# Altium PCB Light_Board.PcbDoc (part 2 of 2)
Units mm, origin at the board's own origin, x right, y up, seen from the top; angles counter-clockwise.
Board outline 260 x 260 mm, 2 copper layers (Top Layer, Bottom Side); 167 components, 149 nets, 370 pads, 0 vias.
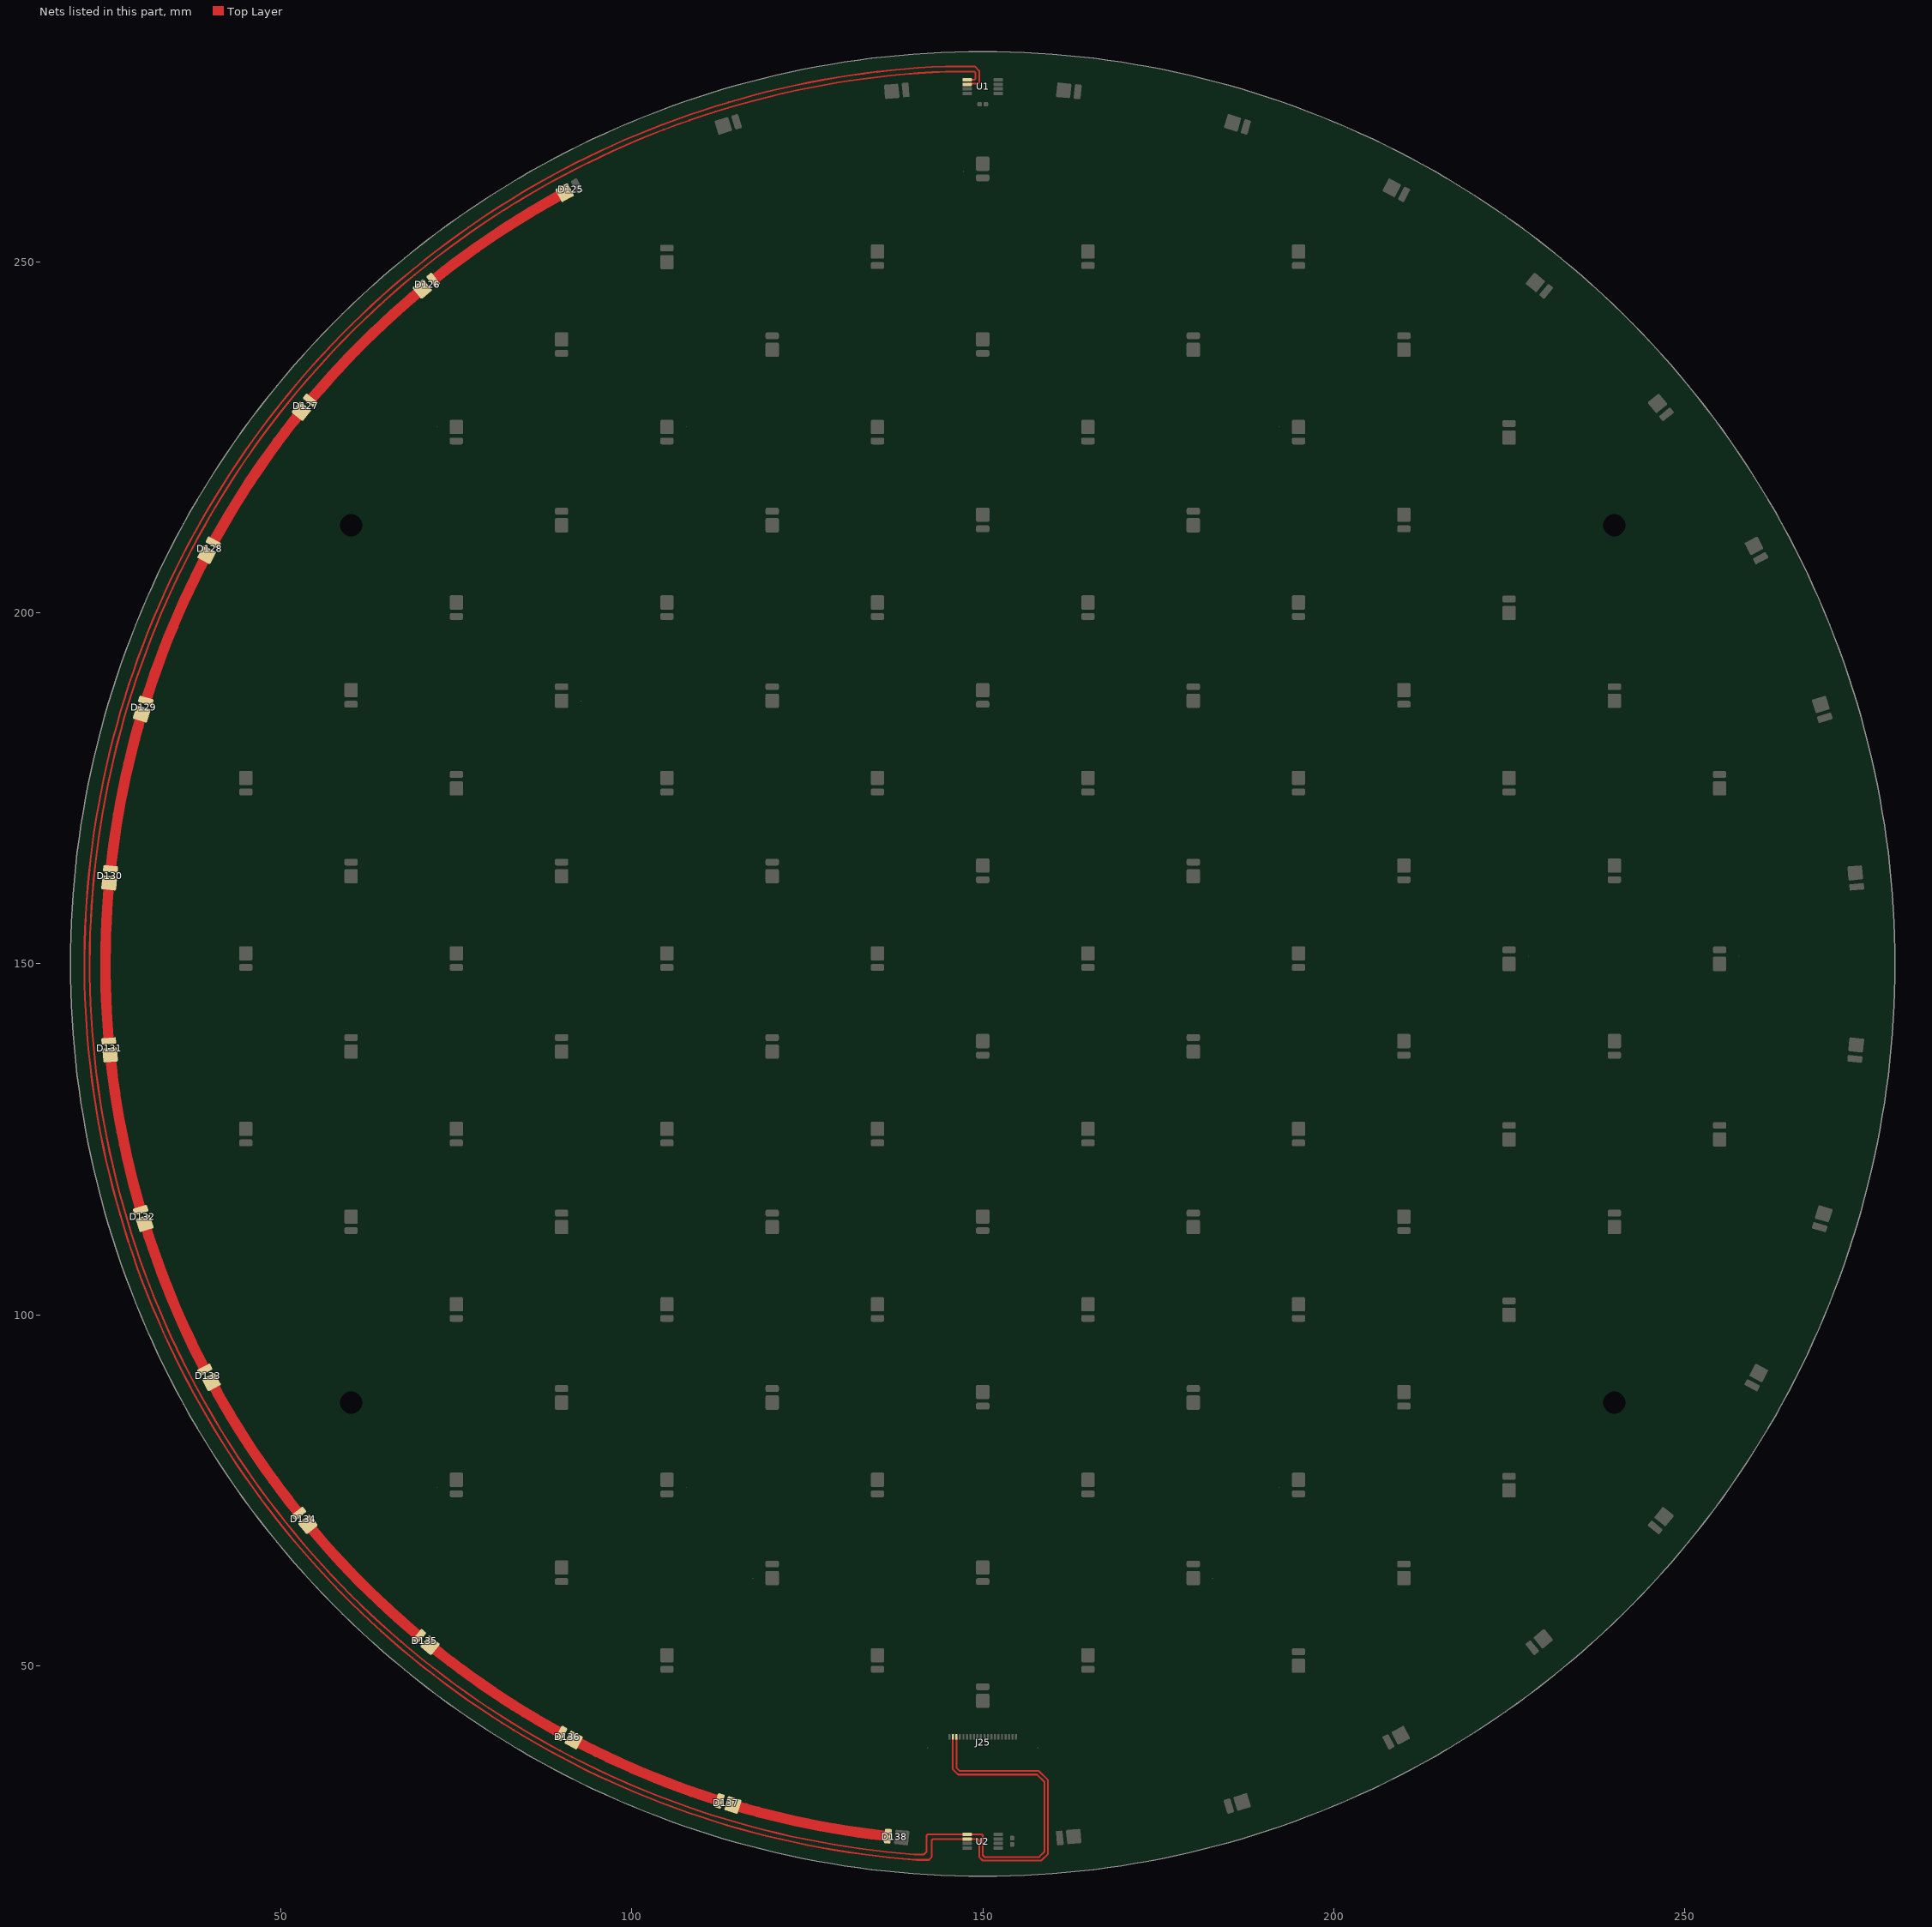
[diagram p2: the nets of this part, all layers, seen from the top]

## Nets (pads, with @x,y where several pads share a name; then routed paths per layer and width w, separated by ;. In a path a pad name is that pad's centre, name@x,y a point inside that pad or via, vN(x,y) a via of type N, cw(c..) or ccw(c..) an arc to the next point about the centre after c; other vN are vias at no path point) (continued)
NetD125_K: D125.K D126.A | length 22.3
  Top Layer w1.5: D126.A@71.912,247.61 cw(c150,150) D125.K@90.436,259.898
NetD126_K: D126.K D127.A | length 22.2
  Top Layer w1.5: D127.A@54.423,230.565 cw(c150,150) D126.K@70.141,246.167
NetD127_K: D127.K D128.A | length 22.1
  Top Layer w1.5: D128.A@40.587,210.452 cw(c150,150) D127.K@52.914,228.739
NetD128_K: D128.K D129.A | length 22
  Top Layer w1.5: 30.922,188.025 cw(c150,150) D128.K@39.418,208.285
NetD129_K: D129.K D130.A | length 22.1
  Top Layer w1.5: D130.A@25.781,163.968 cw(c150,150) D129.K@30.172,185.592
NetD130_K: D130.K D131.A | length 22.1
  Top Layer w1.5: D131.A@25.44,139.495 cw(c150,150) D130.K@25.531,161.531
NetD131_K: D131.K D132.A | length 22.1
  Top Layer w1.5: D131.K@25.673,137.027 ccw(c150,150) D132.A@29.883,115.396
NetD132_K: D132.K D133.A | length 22.1
  Top Layer w1.5: D132.K@30.593,113.021 ccw(c150,150) D133.A@38.942,92.627
NetD133_K: D133.K D134.A | length 22.1
  Top Layer w1.5: D133.K@40.102,90.436 ccw(c150,150) D134.A@52.269,72.063
NetD134_K: D134.K D135.A | length 22.1
  Top Layer w1.5: D134.K@53.833,70.141 ccw(c150,150) D135.A@69.351,54.494
NetD135_K: D135.K D136.A | length 22.1
  Top Layer w1.5: D135.K@71.261,52.914 ccw(c150,150) D136.A@89.533,40.596
NetD136_K: D136.K D137.A | length 22.1
  Top Layer w1.5: D136.K@91.715,39.418 ccw(c150,150) D137.A@112.039,30.901
NetD137_K: D137.K D138.A | length 22.1
  Top Layer w1.5: D137.K@114.408,30.172 ccw(c150,150) D138.A@136.003,25.784
SCL: J25.3 U1.2 U2.2 | length 449.1
  Top Layer w0.25: 140.626,22.344 142.344,22.344 142.75,22.75 142.75,25.179 142.896,25.325 U2.2@147.775,25.325 149.354,25.325 149.5,25.179 149.5,22.75 150,22.25 158.35,22.25 159.3,23.2 159.3,33.7 158,35 146.75,35 146.25,35.5 J25.3@146.25,39.868 ; 144.744,277.892 148.852,277.892 149.5,277.244 149.5,275.596 149.354,275.45 147.9,275.45 U1.2@147.775,275.325
  Top Layer w0.254: 140.626,22.344 cw(c150,150) 144.744,277.892
SDA: J25.2 U1.1 U2.1 | length 444
  Top Layer w0.25: 140.238,23.125 141.625,23.125 142,23.5 142,25.829 142.146,25.975 U2.1@147.775,25.975 147.8,26 149.854,26 150,25.854 150,23 150.25,22.75 158.05,22.75 158.8,23.5 158.8,33.45 157.75,34.5 146.5,34.5 145.75,35.25 J25.2@145.75,39.868 ; 144.754,277.142 148.808,277.142 148.975,276.975 148.975,276.121 148.829,275.975 U1.1@147.775,275.975
  Top Layer w0.254: 140.238,23.125 cw(c150,150) 144.754,277.142
pads on no net: J25.5 J25.6 J25.P1 J25.P2 U1.3 U2.3

## Polygon pours and split planes (outlines as drawn)
NetD83_K on Top Layer "NONET_L01_P-001" (solid, remove dead copper, pour order 47): 119,64 119,69 178.5,69 178.5,63.5 193.5,63.5 193.5,61.5 177.5,61.5 177.5,68 129,68 129,64
NetD78_K on Top Layer "NONET_L01_P-001" (solid, remove dead copper, pour order 104): 129.75,63 129.75,67.5 177,67.5 177,61 194,61 194,75 196,75 196,60 151.5,60 151.5,63
NetD76_K on Top Layer "NONET_L01_P-001" (solid, remove dead copper, pour order 97): 104,75.5 104,86 136.5,86 136.5,87.5 151,87.5 151,85 118.5,85 118.5,75.5
NetD58_K on Top Layer "NONET_L01_P-001" (solid, remove dead copper, pour order 90): 104,225.5 104,236 136.5,236 136.5,237.5 151,237.5 151,235 118.5,235 118.5,225.5
LED4A on Top Layer "NONET_L01_P-001" (solid, remove dead copper, pour order 91): 119,234.5 151.5,234.5 151.5,238 136.5,238 136.5,242 163.5,242 163.5,233.5 120,233.5 120,223.5 168,223.5 168,230 197.5,230 197.5,208.5 120,208.5 120,198.5 168,198.5 168,205 197.5,205 197.5,183.5 120,183.5 120,173.5 168,173.5 168,180 197.5,180 197.5,158.5 120,158.5 120,148.5 168,148.5 168,155 197.5,155 197.5,133.5 120,133.5 120,123.5 168,123.5 168,130 197.5,130 197.5,108.5 120,108.5 120,98.5 168,98.5 168,105 197.5,105 197.5,83.5 120,83.5 120,73.5 168,73.5 168,80 197.5,80 197.5,58.5 167.5,58.5 167.5,47.5 154,47.5 154,44 153,44 153,48.5 166.5,48.5 166.5,59.5 196.5,59.5 196.5,79 169,79 169,72.5 119,72.5 119,84.5 196.5,84.5 196.5,104 169,104 169,97.5 119,97.5 119,109.5 196.5,109.5 196.5,129 169,129 169,122.5 119,122.5 119,134.5 196.5,134.5 196.5,154 169,154 169,147.5 119,147.5 119,159.5 196.5,159.5 196.5,179 169,179 169,172.5 119,172.5 119,184.5 196.5,184.5 196.5,204 169,204 169,197.5 119,197.5 119,209.5 196.5,209.5 196.5,229 169,229 169,222.5 119,222.5
LED3A on Top Layer "NONET_L01_P-001" (solid, remove dead copper, pour order 114): 169.5,45.5 156,45.5 156,44.5 170.5,44.5 170.5,55.5 200.5,55.5 200.5,233 184,233 184,257.5 175,257.5 175,270.75 125,270.75 125,263 151.5,263 151.5,256.5 183,256.5 183,232 199.5,232 199.5,56.5 169.5,56.5
NetD42_K on Top Layer "NONET_L01_P-001" (solid, remove dead copper, pour order 35): 139,252.5 136.5,252.5 136.5,256 139,256 166,256 166,250.5 149.75,250.5 149.75,245.5 125,245.5 125,250 136,250 136,249 139,249
NetD30_K on Top Layer "NONET_L01_P-001" (solid, remove dead copper, pour order 152): 201,212.5 223.5,212.5 223.5,188 201,188
NetD18_K on Top Layer "NONET_L01_P-001" (solid, remove dead copper, pour order 133): 209,76 230.25,76 230.25,86.75 253.25,86.75 251.75,85.25 251.75,82.5 247,77.75 247,76.25 240.5,69.75 240.5,68.75 235.75,64 209,64
LED4K on Top Layer "NONET_L01_P-001" (solid, remove dead copper, pour order 120): 166,50 151.5,50 151.5,44 152.5,44 152.5,49 166,49
NetD100_K on Top Layer "NONET_L01_P-001" (solid, remove dead copper, pour order 187): 89,125 76.5,125 76.5,114 100.5,114 100.5,138.5 89,138.5
NetD111_K on Top Layer "NONET_L01_P-001" (solid, remove dead copper, pour order 199): 56,226.5 55.75,226.5 54.75,225.5 76,225.5 76,226.5 91,226.5 91,237.5 65.5,237.5 60.25,232.25 60.25,231.5 56,227.25
NetD107_K on Top Layer "NONET_L01_P-001" (solid, remove dead copper, pour order 203): 76.5,187.5 76.5,188.5 100.5,188.5 100.5,176.5 61.5,176.5 61.5,187.5
NetD115_K on Top Layer "NONET_L01_P-001" (solid, remove dead copper, pour order 195): 46,175 31,175 31,170.75 29.25,169 29.25,150.5 46,150.5
NetD102_K on Top Layer "NONET_L01_P-001" (solid, remove dead copper, pour order 189): 74,153.25 69.25,153.25 69.25,150.5 76,150.5 76,164 100.5,164 100.5,176 76.5,176 76.5,173.5 74,173.5 74,173
NetD103_K on Top Layer "NONET_L01_P-001" (solid, remove dead copper, pour order 191): 88.5,125.5 69.25,125.5 69.25,150 88.5,150
LED6K on Top Layer "NONET_L01_P-001" (solid, remove dead copper, pour order 181): 104,50 106.5,50 106.5,53 115.5,53 115.5,42.5 136.5,42.5 136.5,30 126.25,30 124.25,32 117.5,32 115.5,34 110.75,34 108.25,36.5 104,36.5
NetD121_K on Top Layer "NONET_L01_P-001" (solid, remove dead copper, pour order 182): 106,53 106,50.5 103.5,50.5 103.5,38.25 98.25,38.25 96.75,36.75 88.25,45.25 82.5,45.25 65.25,62.5 91,62.5 91,53
NetD119_K on Top Layer "NONET_L01_P-001" (solid, remove dead copper, pour order 185): 76,100 39.25,100 40.25,99 40.25,96.5 42.25,94.5 42.25,93.25 44,91.5 44,90.5 46,88.5 46,87.25 70.25,87.25 70.25,75.5 76,75.5
NetD120_K on Top Layer "NONET_L01_P-001" (solid, remove dead copper, pour order 184): 91,75 69.75,75 69.75,86.75 46.75,86.75 48.25,85.25 48.25,82.5 53,77.75 53,76.25 59.5,69.75 59.5,68.75 65.25,63 91,63
NetD118_K on Top Layer "NONET_L01_P-001" (solid, remove dead copper, pour order 186): 76,112.5 34.5,112.5 35,112 35,110.25 36,109.25 36,107.25 37.5,105.75 37.5,102.75 39.75,100.5 76,100.5
NetD104_K on Top Layer "NONET_L01_P-001" (solid, remove dead copper, pour order 190): 76,125 68.75,125 68.75,138.5 46.5,138.5 46.5,122 76,122
NetD114_K on Top Layer "NONET_L01_P-001" (solid, remove dead copper, pour order 196): 46.5,175.5 61,175.5 61,187.5 34,187.5 34,183.5 31.75,181.25 31.75,175.5
NetD106_K on Top Layer "NONET_L01_P-001" (solid, remove dead copper, pour order 204): 61.5,175 61.5,176 76,176 76,174 73.5,174 73.5,164 46.5,164 46.5,175
NetD105_K on Top Layer "NONET_L01_P-001" (solid, remove dead copper, pour order 205): 46.5,139 46.5,163.5 73.5,163.5 73.5,153.75 68.75,153.75 68.75,139
NetD116_K on Top Layer "NONET_L01_P-001" (solid, remove dead copper, pour order 193): 46,150 28.5,150 28.5,135.5 30,134 29.75,133.75 29.75,125.25 32.5,122.5 29.75,125.25 29.75,125.5 46,125.5
NetD117_K on Top Layer "NONET_L01_P-001" (solid, remove dead copper, pour order 194): 46,121.5 76,121.5 76,113 34,113 34,115.25 32.25,117 32.25,123 30.5,124.75 30.5,125 46,125
LED6A on Top Layer "NONET_L01_P-001" (solid, remove dead copper, pour order 192): 92.5,88.5 88.5,88.5 88.5,113.5 76.5,113.5 76.5,103 76.5,75.5 92.5,75.5
NetD99_K on Top Layer "NONET_L01_P-001" (solid, remove dead copper, pour order 183): 100.5,67.5 114.5,67.5 114.5,60 117,60 117,55 93,55 93,89 89,89 89,113.5 100.5,113.5
NetD101_K on Top Layer "NONET_L01_P-001" (solid, remove dead copper, pour order 188): 89,150.5 76.5,150.5 76.5,163.5 100.5,163.5 100.5,139 89,139
NetD113_K on Top Layer "NONET_L01_P-001" (solid, remove dead copper, pour order 197): 76,188 61.5,188 34.75,188 34.75,190.5 37,192.75 37,196.75 39.25,199 39.25,200 76,200
NetD108_K on Top Layer "NONET_L01_P-001" (solid, remove dead copper, pour order 202): 100.5,213.5 76.5,213.5 76.5,189 100.5,189
NetD112_K on Top Layer "NONET_L01_P-001" (solid, remove dead copper, pour order 198): 76,225 54.712,225 50.145,218.632 48,216 43.75,209 42.5,205.25 39.75,202.5 39.75,200.5 76,200.5
NetD109_K on Top Layer "NONET_L01_P-001" (solid, remove dead copper, pour order 200): 124.5,251 124.5,245.5 100.5,245.5 100.5,233.5 100.5,214 76.5,214 76.5,226 91.5,226 91.5,251
NetD110_K on Top Layer "NONET_L01_P-001" (solid, remove dead copper, pour order 201): 124.5,258 124.5,268.5 124.25,268.25 119.5,268.25 116.75,267 113,266 112.25,265.25 110,265.25 108.75,264 107,264 106.25,263.25 105,263.25 104,262.25 103.25,262.25 101.625,261.125 99.5,260.75 99,260.25 98,260.25 97,259.25 96.25,259.25 94.5,257.5 93.5,257.5 92.5,256.5 91.75,256.5 90.75,255.5 89.75,255.5 88.75,254.5 86.5,254.5 85,253 84.75,253 83,251.25 82.75,251.25 81.25,249.75 79.75,249.75 77.25,247.25 76,247.25 74.5,245.75 74.5,245 73.75,245 70,241.25 69.75,241.25 68,239.5 68,239.25 68.25,239.25 67,238 91,238 91,251.5 124.5,251.5
NetD17_K on Top Layer "NONET_L01_P-001" (solid, remove dead copper, pour order 131): 194,53 194,51.5 196.5,51.5 196.5,38.25 201.75,38.25 203.25,36.75 211.75,45.25 217.5,45.25 234.75,62.5 234.75,63.5 209,63.5 209,53
NetD35_K on Top Layer "NONET_L01_P-001" (solid, remove dead copper, pour order 141): 211.5,126.5 230.75,126.5 230.75,151 211.5,151
NetD38_K on Top Layer "NONET_L01_P-001" (solid, remove dead copper, pour order 137): 211,126 223.5,126 223.5,113 201,113 201,137.5 211,137.5
NetD26_K on Top Layer "NONET_L01_P-001" (solid, remove dead copper, pour order 148): 224,226 244.75,226 244.75,225.75 249.855,218.632 252,216 256.25,209 257.5,205.25 260.25,202.5 260.25,201.5 224,201.5
NetD32_K on Top Layer "NONET_L01_P-001" (solid, remove dead copper, pour order 154): 224,175 253.5,175 253.5,163 226.5,163 226.5,174 224,174
NetD33_K on Top Layer "NONET_L01_P-001" (solid, remove dead copper, pour order 155): 253.5,138 253.5,162.5 226.5,162.5 226.5,153.75 231.25,153.75 231.25,138
NetD22_K on Top Layer "NONET_L01_P-001" (solid, remove dead copper, pour order 143): 254,151 271.5,151 271.5,135.5 270,134 270.25,133.75 270.25,125.25 267.5,122.5 270.25,125.25 270.25,126.5 254,126.5
NetD31_K on Top Layer "NONET_L01_P-001" (solid, remove dead copper, pour order 153): 201,187.5 238.5,187.5 238.5,175.5 201,175.5
NetD36_K on Top Layer "NONET_L01_P-001" (solid, remove dead copper, pour order 139): 226,153.25 230.75,153.25 230.75,151.5 224,151.5 224,163 201,163 201,175 223.5,175 223.5,173.5 226,173.5 226,173
NetD28_K on Top Layer "NONET_L01_P-001" (solid, remove dead copper, pour order 151): 175.5,258 175.5,268.5 175.75,268.25 180.5,268.25 183.25,267 187,266 187.75,265.25 190,265.25 191.25,264 193,264 193.75,263.25 195,263.25 196,262.25 196.75,262.25 198.375,261.125 200.5,260.75 201,260.25 202,260.25 203,259.25 203.75,259.25 205.5,257.5 206.5,257.5 207.5,256.5 208.25,256.5 209.25,255.5 210.25,255.5 211.25,254.5 213.5,254.5 215,253 215.25,253 217,251.25 217.25,251.25 218.75,249.75 220.25,249.75 222.75,247.25 224,247.25 225.5,245.75 225.5,245 226.25,245 230,241.25 230.25,241.25 232,239.5 232,239.25 231.75,239.25 231.5,239 209,239 209,250.5 184.5,250.5 184.5,258
NetD29_K on Top Layer "NONET_L01_P-001" (solid, remove dead copper, pour order 150): 184.5,250 208.5,250 208.5,226 223.5,226 223.5,213 201,213 201,233.5 184.5,233.5
NetD27_K on Top Layer "NONET_L01_P-001" (solid, remove dead copper, pour order 149): 209,238.5 209.25,238.75 233.5,238.75 233.5,238.5 239.75,232.25 239.75,231.5 244,227.25 244,226.5 209,226.5
NetD25_K on Top Layer "NONET_L01_P-001" (solid, remove dead copper, pour order 147): 224,188 238.5,188 238.5,189 265.25,189 265.25,190.5 263,192.75 263,196.75 260.75,199 260.75,201 224,201
NetD24_K on Top Layer "NONET_L01_P-001" (solid, remove dead copper, pour order 146): 253.5,176.5 253.5,175.5 239,175.5 239,188.5 266,188.5 266,183.5 268.25,181.25 268.25,176.5
NetD23_K on Top Layer "NONET_L01_P-001" (solid, remove dead copper, pour order 145): 254,176 269,176 269,170.75 270.75,169 270.75,151.5 254,151.5
NetD21_K on Top Layer "NONET_L01_P-001" (solid, remove dead copper, pour order 144): 254,121.5 224,121.5 224,114 224.25,114 266,114 266,115.25 267.75,117 267.75,123 269.5,124.75 269.5,126 254,126
LED2K on Top Layer "NONET_L01_P-001" (solid, remove dead copper, pour order 142): 207.5,87.5 211.5,87.5 211.5,112.5 223.5,112.5 223.5,103 223.5,76.5 207.5,76.5
NetD34_K on Top Layer "NONET_L01_P-001" (solid, remove dead copper, pour order 140): 224,126 231.25,126 231.25,137.5 253.5,137.5 253.5,122 224,122
NetD37_K on Top Layer "NONET_L01_P-001" (solid, remove dead copper, pour order 138): 211,151.5 223.5,151.5 223.5,162.5 201,162.5 201,138 211,138
NetD20_K on Top Layer "NONET_L01_P-001" (solid, remove dead copper, pour order 136): 224,113.5 266.5,113.5 265,112 265,110.25 264,109.25 264,107.25 262.5,105.75 262.5,102.75 261.25,101.5 224,101.5
NetD19_K on Top Layer "NONET_L01_P-001" (solid, remove dead copper, pour order 134): 224,101 261.25,101 261.25,100.5 259.75,99 259.75,96.5 257.75,94.5 257.75,93.25 256,91.5 256,90.5 254,88.5 254,87.25 229.75,87.25 229.75,76.5 224,76.5
NetD39_K on Top Layer "NONET_L01_P-001" (solid, remove dead copper, pour order 132): 211,112.5 201,112.5 201,55.5 207,55.5 207,66.25 207,88 211,88
LED2A on Top Layer "NONET_L01_P-001" (solid, remove dead copper, pour order 130): 196,51 193.5,51 193.5,53 172.5,53 172.5,42.5 163.5,42.5 163.5,30 173.75,30 175.75,32 182.5,32 184.5,34 189.25,34 191.75,36.5 196,36.5
NetD71_K on Top Layer "NONET_L01_P-001" (solid, remove dead copper, pour order 108): 196,125.5 196,128.5 169.5,128.5 169.5,122 118.5,122 118.5,125 104,125 104,121 193.5,121 193.5,127.5 193.5,125.5
NetD54_K on Top Layer "NONET_L01_P-001" (solid, remove dead copper, pour order 81): 166,100.5 166,106.5 136.5,106.5 136.5,100 120.5,100 120.5,99 137.5,99 137.5,105.5 137.5,100.5
NetD55_K on Top Layer "NONET_L01_P-001" (solid, remove dead copper, pour order 22): 198,105.5 167.5,105.5 167.5,99 138,99 138,100 166.5,100 166.5,106.5 199,106.5 199,82 136,82 136,75.5 120.5,75.5 120.5,83 198,83
NetD73_K on Top Layer "NONET_L01_P-001" (solid, remove dead copper, pour order 96): 104,100.5 104,111 136.5,111 136.5,112.5 151,112.5 151,110 118.5,110 118.5,100.5
NetD74_K on Top Layer "NONET_L01_P-001" (solid, remove dead copper, pour order 109): 196,100.5 196,103.5 169.5,103.5 169.5,97 118.5,97 118.5,100 104,100 104,96 193.5,96 193.5,102.5 193.5,100.5
NetD86_K on Top Layer "NONET_L01_P-001" (solid, remove dead copper, pour order 56): 118.5,119 118.5,113.5 136,113.5 136,111.5 103.5,111.5 103.5,118 103.5,95.5 193.5,95.5 193.5,89 179,89 179,94.5 102.5,94.5 102.5,119
NetD92_K on Top Layer "NONET_L01_P-001" (solid, remove dead copper, pour order 62): 118.5,194 118.5,188.5 136,188.5 136,186.5 103.5,186.5 103.5,193 103.5,170.5 193.5,170.5 193.5,164 179,164 179,169.5 102.5,169.5 102.5,194
LED5K on Top Layer "NONET_L01_P-001" (solid, remove dead copper, pour order 111): 118.5,61.5 116,61.5 116,65 118.5,65 118.5,69 102,69 102,244 179,244 179,239 181,239 181,245 101,245 101,68 115,68 115,60.5 117.5,60.5 117.5,44.5 146.25,44.5 146.25,45.5 118.5,45.5
NetD96_K on Top Layer "NONET_L01_P-001" (solid, remove dead copper, pour order 66): 118.5,243.5 118.5,238.5 136,238.5 136,236.5 103.5,236.5 103.5,242.5 103.5,220.5 193.5,220.5 193.5,214 179,214 179,219.5 102.5,219.5 102.5,243.5
NetD59_K on Top Layer "NONET_L01_P-001" (solid, remove dead copper, pour order 54): 196,225.5 196,228.5 169.5,228.5 169.5,222 118.5,222 118.5,225 104,225 104,221 193.5,221 193.5,225.5 194,225.5
NetD60_K on Top Layer "NONET_L01_P-001" (solid, remove dead copper, pour order 98): 136.5,213 136.5,217.5 163.5,217.5 163.5,211 194,211 194,225 196,225 196,210 151.5,210 151.5,213
NetD61_K on Top Layer "NONET_L01_P-001" (solid, remove dead copper, pour order 92): 104,200.5 104,211 136.5,211 136.5,212.5 151,212.5 151,210 118.5,210 118.5,200.5
NetD62_K on Top Layer "NONET_L01_P-001" (solid, remove dead copper, pour order 105): 196,200.5 196,203.5 169.5,203.5 169.5,197 118.5,197 118.5,200 104,200 104,196 193.5,196 193.5,202.5 193.5,200.5
NetD63_K on Top Layer "NONET_L01_P-001" (solid, remove dead copper, pour order 99): 136.5,188 136.5,192.5 163.5,192.5 163.5,186 194,186 194,200 196,200 196,185 151.5,185 151.5,188
NetD64_K on Top Layer "NONET_L01_P-001" (solid, remove dead copper, pour order 93): 104,175.5 104,186 136.5,186 136.5,187.5 151,187.5 151,185 118.5,185 118.5,175.5
NetD65_K on Top Layer "NONET_L01_P-001" (solid, remove dead copper, pour order 106): 196,175.5 196,178.5 169.5,178.5 169.5,172 118.5,172 118.5,175 104,175 104,171 193.5,171 193.5,175.5
NetD66_K on Top Layer "NONET_L01_P-001" (solid, remove dead copper, pour order 100): 136.5,163 136.5,167.5 163.5,167.5 163.5,161 194,161 194,175 196,175 196,160 151.5,160 151.5,163
NetD67_K on Top Layer "NONET_L01_P-001" (solid, remove dead copper, pour order 94): 104,150.5 104,161 136.5,161 136.5,162.5 151,162.5 151,160 118.5,160 118.5,150.5
NetD68_K on Top Layer "NONET_L01_P-001" (solid, remove dead copper, pour order 107): 196,150.5 196,153.5 169.5,153.5 169.5,147 118.5,147 118.5,150 104,150 104,146 193.5,146 193.5,152.5 193.5,150.5
NetD70_K on Top Layer "NONET_L01_P-001" (solid, remove dead copper, pour order 95): 104,125.5 104,136 136.5,136 136.5,137.5 151,137.5 151,135 118.5,135 118.5,125.5
NetD72_K on Top Layer "NONET_L01_P-001" (solid, remove dead copper, pour order 102): 136.5,113 136.5,117.5 163.5,117.5 163.5,111 194,111 194,125 196,125 196,110 151.5,110 151.5,113
NetD75_K on Top Layer "NONET_L01_P-001" (solid, remove dead copper, pour order 103): 136.5,88 136.5,92.5 163.5,92.5 163.5,86 194,86 194,100 196,100 196,85 151.5,85 151.5,88
NetD77_K on Top Layer "NONET_L01_P-001" (solid, remove dead copper, pour order 110): 196,75.5 196,78.5 169.5,78.5 169.5,72 118.5,72 118.5,75 104,75 104,71 193.5,71 193.5,77.5 193.5,75.5
NetD79_K on Top Layer "NONET_L01_P-001" (solid, remove dead copper, pour order 119): 149,62.5 151,62.5 151,60 136,60 136,50.5 129.75,50.5 129.75,62.5
NetD80_K on Top Layer "NONET_L01_P-001" (solid, remove dead copper, pour order 118): 166,50.5 151.5,50.5 151.5,55.5 139.5,55.5 139.5,49 129.75,49 129.75,50 136.5,50 136.5,59.5 166,59.5
NetD82_K on Top Layer "NONET_L01_P-001" (solid, remove dead copper, pour order 116): 151,48.5 151,55 140,55 140,48.5 129,48.5 129,63.5 119,63.5 119,46 148.5,46 148.5,46.5 151,46.5
NetD41_K on Top Layer "NONET_L01_P-001" (solid, remove dead copper, pour order 113): 125,250.5 125,257.5 125,262.5 151,262.5 151,256.5 136,256.5 136,250.5
NetD43_K on Top Layer "NONET_L01_P-001" (solid, remove dead copper, pour order 112): 166.5,256 166.5,250 150.25,250 150.25,245.5 181.5,245.5 181.5,255 181.5,233 120.5,233 120.5,225.5 136,225.5 136,232 182.5,232 182.5,256
NetD44_K on Top Layer "NONET_L01_P-001" (solid, remove dead copper, pour order 34): 166,225.5 166,231.5 136.5,231.5 136.5,225 120.5,225 120.5,224 137.5,224 137.5,230.5 137.5,225.5
NetD45_K on Top Layer "NONET_L01_P-001" (solid, remove dead copper, pour order 88): 198,230.5 167.5,230.5 167.5,224 138,224 138,225 166.5,225 166.5,231.5 199,231.5 199,207 136,207 136,200.5 120.5,200.5 120.5,208 198,208
NetD46_K on Top Layer "NONET_L01_P-001" (solid, remove dead copper, pour order 89): 166,200.5 166,206.5 136.5,206.5 136.5,200 120.5,200 120.5,199 137.5,199 137.5,205.5 137.5,200.5
NetD47_K on Top Layer "NONET_L01_P-001" (solid, remove dead copper, pour order 86): 198,205.5 167.5,205.5 167.5,199 138,199 138,200 166.5,200 166.5,206.5 199,206.5 199,182 136,182 136,175.5 120.5,175.5 120.5,183 198,183
NetD48_K on Top Layer "NONET_L01_P-001" (solid, remove dead copper, pour order 87): 166,175.5 166,181.5 136.5,181.5 136.5,175 120.5,175 120.5,174 137.5,174 137.5,180.5 137.5,175.5
NetD49_K on Top Layer "NONET_L01_P-001" (solid, remove dead copper, pour order 84): 198,180.5 167.5,180.5 167.5,174 138,174 138,175 166.5,175 166.5,181.5 199,181.5 199,157 136,157 136,150.5 120.5,150.5 120.5,158 198,158
NetD50_K on Top Layer "NONET_L01_P-001" (solid, remove dead copper, pour order 85): 166,150.5 166,156.5 136.5,156.5 136.5,150 120.5,150 120.5,149 137.5,149 137.5,155.5 137.5,150.5
NetD51_K on Top Layer "NONET_L01_P-001" (solid, remove dead copper, pour order 82): 198,155.5 167.5,155.5 167.5,149 138,149 138,150 166.5,150 166.5,156.5 199,156.5 199,132 136,132 136,125.5 120.5,125.5 120.5,133 198,133
NetD52_K on Top Layer "NONET_L01_P-001" (solid, remove dead copper, pour order 83): 166,125.5 166,131.5 136.5,131.5 136.5,125 120.5,125 120.5,124 137.5,124 137.5,130.5 137.5,125.5
NetD53_K on Top Layer "NONET_L01_P-001" (solid, remove dead copper, pour order 80): 198,130.5 167.5,130.5 167.5,124 138,124 138,125 166.5,125 166.5,131.5 199,131.5 199,107 136,107 136,100.5 120.5,100.5 120.5,108 198,108
NetD56_K on Top Layer "NONET_L01_P-001" (solid, remove dead copper, pour order 45): 166,75.5 166,81.5 136.5,81.5 136.5,75 120.5,75 120.5,74 137.5,74 137.5,80.5 137.5,75.5
LED3K on Top Layer "NONET_L01_P-001" (solid, remove dead copper, pour order 115): 168,47 154.5,47 154.5,44 155.5,44 155.5,46 169,46 169,57 199,57 199,81.5 166.5,81.5 166.5,75 138,75 138,74 167.5,74 167.5,80.5 198,80.5 198,58 168,58
NetD97_K on Top Layer "NONET_L01_P-001" (solid, remove dead copper, pour order 52): 119,239 119,243.5 178.5,243.5 178.5,238.5 181,238.5 181,233.5 164,233.5 164,242.5 136,242.5 136,239
NetD69_K on Top Layer "NONET_L01_P-001" (solid, remove dead copper, pour order 101): 136.5,138 136.5,142.5 163.5,142.5 163.5,136 194,136 194,150 196,150 196,135 151.5,135 151.5,138
NetD95_K on Top Layer "NONET_L01_P-001" (solid, remove dead copper, pour order 67): 119,214 119,219 178.5,219 178.5,213.5 193.5,213.5 193.5,211.5 164,211.5 164,218 136,218 136,214
NetD94_K on Top Layer "NONET_L01_P-001" (solid, remove dead copper, pour order 64): 118.5,219 118.5,213.5 136,213.5 136,211.5 103.5,211.5 103.5,218 103.5,195.5 193.5,195.5 193.5,189 179,189 179,194.5 102.5,194.5 102.5,219
NetD93_K on Top Layer "NONET_L01_P-001" (solid, remove dead copper, pour order 65): 119,189 119,194 178.5,194 178.5,188.5 193.5,188.5 193.5,186.5 164,186.5 164,193 136,193 136,189
NetD91_K on Top Layer "NONET_L01_P-001" (solid, remove dead copper, pour order 63): 119,164 119,169 178.5,169 178.5,163.5 193.5,163.5 193.5,161.5 164,161.5 164,168 136,168 136,164
NetD90_K on Top Layer "NONET_L01_P-001" (solid, remove dead copper, pour order 60): 118.5,169 118.5,163.5 136,163.5 136,161.5 103.5,161.5 103.5,168 103.5,145.5 193.5,145.5 193.5,139 179,139 179,144.5 102.5,144.5 102.5,169
NetD89_K on Top Layer "NONET_L01_P-001" (solid, remove dead copper, pour order 61): 119,139 119,144 178.5,144 178.5,138.5 193.5,138.5 193.5,136.5 164,136.5 164,143 136,143 136,139
NetD88_K on Top Layer "NONET_L01_P-001" (solid, remove dead copper, pour order 58): 118.5,144 118.5,138.5 136,138.5 136,136.5 103.5,136.5 103.5,143 103.5,120.5 193.5,120.5 193.5,114 179,114 179,119.5 102.5,119.5 102.5,144
NetD87_K on Top Layer "NONET_L01_P-001" (solid, remove dead copper, pour order 59): 119,114 119,119 178.5,119 178.5,113.5 193.5,113.5 193.5,111.5 164,111.5 164,118 136,118 136,114
NetD85_K on Top Layer "NONET_L01_P-001" (solid, remove dead copper, pour order 57): 119,89 119,94 178.5,94 178.5,88.5 193.5,88.5 193.5,86.5 164,86.5 164,93 136,93 136,89
NetD84_K on Top Layer "NONET_L01_P-001" (solid, remove dead copper, pour order 36): 118.5,94 118.5,88.5 136,88.5 136,86.5 103.5,86.5 103.5,93 103.5,70.5 193.5,70.5 193.5,64 179,64 179,69.5 102.5,69.5 102.5,94

## Keep-outs
Top Layer:
  circle w0.254: c60,212.5 r4.802
  circle w0.254: c60,87.5 r4.802
  circle w0.254: c240,87.5 r4.802
  circle w0.254: c240,212.5 r4.802

## Silkscreen, mask and mechanical layers (free items; w line width, h text height)
Top Overlay:
  circle w1.5: c60,87.5 r4
  circle w1.5: c60,212.5 r4
  circle w1.5: c240,87.5 r4
  circle w1.5: c240,212.5 r4
  circle w1.5: c150,150 r128
  lines w0.5: 39.885,147.385 50.115,147.385 50.115,154.115 39.885,154.115 39.885,147.385 ; 69.885,72.385 80.115,72.385 80.115,79.115 69.885,79.115 69.885,72.385 ; 69.885,147.385 80.115,147.385 80.115,154.115 69.885,154.115 69.885,147.385 ; 69.885,222.385 80.115,222.385 80.115,229.115 69.885,229.115 69.885,222.385 ; 84.885,109.885 95.115,109.885 95.115,116.615 84.885,116.615 84.885,109.885 ; 84.885,184.885 95.115,184.885 95.115,191.615 84.885,191.615 84.885,184.885 ; 99.885,72.385 110.115,72.385 110.115,79.115 99.885,79.115 99.885,72.385 ; 99.885,222.385 110.115,222.385 110.115,229.115 99.885,229.115 99.885,222.385 ; 114.885,59.885 125.115,59.885 125.115,66.615 114.885,66.615 114.885,59.885 ; 129.885,247.385 140.115,247.385 140.115,254.115 129.885,254.115 129.885,247.385 ; 144.885,42.385 155.115,42.385 155.115,49.115 144.885,49.115 144.885,42.385 ; 144.885,59.885 144.885,66.615 155.115,66.615 155.115,59.885 144.885,59.885 ; 144.885,234.885 155.115,234.885 155.115,241.615 144.885,241.615 144.885,234.885 ; 144.885,259.885 155.115,259.885 155.115,266.615 144.885,266.615 144.885,259.885 ; 159.885,247.385 170.115,247.385 170.115,254.115 159.885,254.115 159.885,247.385 ; 174.885,59.885 185.115,59.885 185.115,66.615 174.885,66.615 174.885,59.885 ; 189.885,72.385 200.115,72.385 200.115,79.115 189.885,79.115 189.885,72.385 ; 189.885,222.385 200.115,222.385 200.115,229.115 189.885,229.115 189.885,222.385 ; 204.885,109.885 215.115,109.885 215.115,116.615 204.885,116.615 204.885,109.885 ; 205.135,184.885 215.365,184.885 215.365,191.615 205.135,191.615 205.135,184.885 ; 219.885,72.385 230.115,72.385 230.115,79.115 219.885,79.115 219.885,72.385 ; 219.885,147.385 230.115,147.385 230.115,154.115 219.885,154.115 219.885,147.385 ; 219.885,222.385 230.115,222.385 230.115,229.115 219.885,229.115 219.885,222.385 ; 249.885,147.385 260.115,147.385 260.115,154.115 249.885,154.115 249.885,147.385
  lines w1.5: 139.579,271.579 140.421,271.579 141.5,270.5 158.5,270.5 159.579,271.579 160.421,271.579 160.132,271.579 cw(c150,150) 160.132,28.421 160.132,40.368 158.75,41.75 141.25,41.75 139.868,40.368 139.868,28.421 cw(c150,150) 139.868,271.579 139.579,271.579
  text "L1" at 148.823,267.25 h10
  text "L3" at 163.59,254.778 h10
  text "L2" at 133.583,254.75 h10
  text "FR1" at 147.913,242.25 h10
  text "FR3" at 192.681,229.778 h10
  text "R1L" at 72.629,229.75 h10
  text "FR2" at 102.674,229.75 h10
  text "R1R" at 222.472,229.75 h10
  text "R2L" at 87.629,192.25 h10
  text "R2R" at 207.722,192.25 h10
  text "R3L" at 42.628,154.778 h10
  text "R3R" at 222.472,154.778 h10
  text "R4L" at 72.629,154.75 h10
  text "R4R" at 252.472,154.75 h10
  text "R5L" at 87.629,117.278 h10
  text "R5R" at 207.472,117.278 h10
  text "R6L" at 72.629,79.778 h10
  text "FR5" at 192.681,79.778 h10
  text "R6R" at 222.472,79.778 h10
  text "FR4" at 102.628,79.75 h10
  text "FR6" at 147.667,67.278 h10
  text "P1" at 118.705,67.25 h10
  text "P2" at 178.465,67.25 h10
  text "P3" at 148.472,49.778 h10
Mechanical 1:
  circle w0.001: c150,150 r130
  lines w0.001: 142.25,29.25 ccw(c143.25,29.25) 143.25,28.25 156.75,28.25 ccw(c156.75,29.25) 157.75,29.25 157.75,32.25 ccw(c156.75,32.25) 156.75,33.25 143.25,33.25 ccw(c143.25,32.25) 142.25,32.25 142.25,29.25